# Altium PCB 主控板20160428.PcbDoc (part 2 of 3)
Units mm, origin at the board's own origin, x right, y up, seen from the top; angles counter-clockwise.
Board outline 105 x 80 mm, 2 copper layers (Top Layer, Bottom Layer); 88 components, 152 nets, 500 pads, 192 vias.
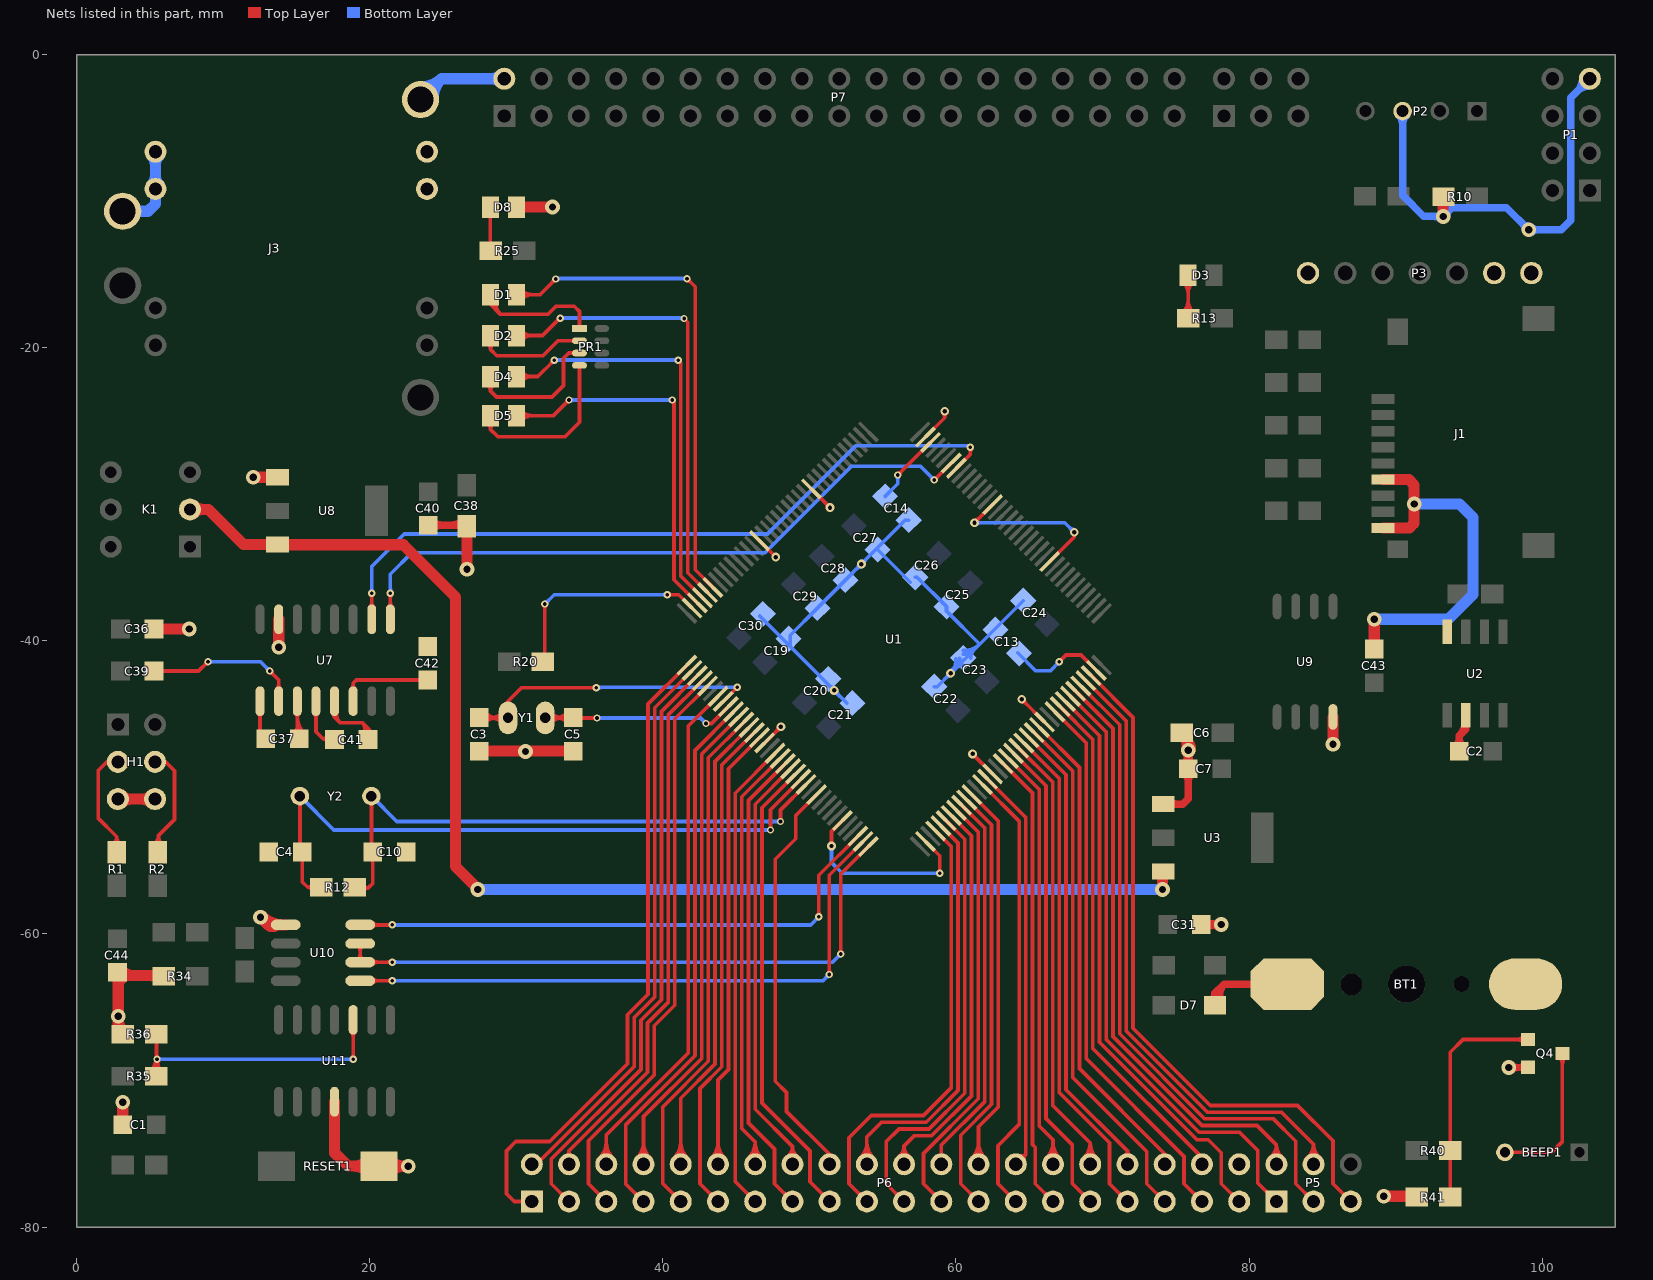
[diagram p2: the nets of this part, all layers, seen from the top]

## Via types
v1: diameter 0.5, hole 0.25, Top Layer to Bottom Layer, 117 vias
v2: diameter 1, hole 0.5, Top Layer to Bottom Layer, 40 vias
v3: diameter 0.6, hole 0.3, Top Layer to Bottom Layer, 31 vias
v4: diameter 1.524, hole 1, Top Layer to Bottom Layer, 4 vias

## Nets (pads, with @x,y where several pads share a name; then routed paths per layer and width w, separated by ;. In a path a pad name is that pad's centre, name@x,y a point inside that pad or via, vN(x,y) a via of type N, cw(c..) or ccw(c..) an arc to the next point about the centre after c; other vN are vias at no path point) (continued)
GND: BT1.2 C1.2 C2.2 C3.1 C4.1 C5.1 C6.2 C7.1 C10.1 C13.2 C14.2 C19.1 C20.1 C21.1 C22.1 C23.1 C24.1 C25.1 C26.1 C27.1 C28.1 C29.1 C30.1 C31.1 C36.1 C38.2 C40.1 C42.2 C43.2 C44.2 D8.K H1.5 H1.6 J1.6 J1.9 J3.1 J3.5 P1.4 P2.3 P3.1 P3.6 P3.7 P6.40 P7.2 Q4.1 R10.1 R34.1 R36.1 R41.1 RESET1.2 U1.16 U1.31 U1.38 U1.51 U1.61 U1.83 U1.94 U1.107 U1.120 U1.130 U2.2 U2.8 U3.1 U7.15 U8.1 U9.4 U10.5 U11.11 | length 270.2
  Top Layer w0.254: U1.130@46.599,-33.177 v3(47.712,-34.29) v3@47.727,-34.29 ; U1.16@46.953,-46.965 v3(48.057,-45.861) ; v3@47.884,-45.861 cw(c47.466,-45.861) 47.761,-46.156 cw(c48.057,-46.452) v3@48.057,-46.034 ; U1.120@50.134,-29.641 v3(51.405,-30.912) v3@51.41,-30.912 ; v3@51.232,-30.912 ccw(c50.814,-30.912) 51.11,-30.616 ccw(c51.405,-30.321) v3@51.405,-30.739 ; v3@51.389,-53.878 ccw(c51.094,-53.583) 51.511,-53.583 ccw(c51.929,-53.583) v3@51.634,-53.878 ; v3@51.511,-54.026 v3(51.511,-54) 51.511,-53.013 U1.31@52.256,-52.269 ; U1.38@57.913,-53.683 58.903,-54.673 v1(58.903,-55.855) ; U1.107@57.913,-26.106 59.233,-24.785 v3(59.233,-24.333) ; v3@59.11,-24.456 cw(c58.815,-24.751) 59.233,-24.751 cw(c59.65,-24.751) v3@59.355,-24.456 ; v3(61.138,-47.716) U1.51@62.509,-49.087 ; v3(61.265,-31.946) U1.94@62.509,-30.702 ; v3@61.265,-31.773 ccw(c61.265,-31.355) 61.56,-31.651 ccw(c61.855,-31.946) v3@61.438,-31.946 ; v3@64.486,-44.166 cw(c64.486,-44.583) 64.781,-44.288 cw(c65.077,-43.993) v3@64.659,-43.993 ; v3(64.486,-43.993) U1.61@66.044,-45.551 ; U1.83@66.398,-34.591 68.072,-32.917 v3(68.072,-32.588)
  Top Layer w0.508: C40.1@24.003,-32.106 26.619,-32.106 C38.2@26.645,-32.131 ; C40.1@24.272,-32.375 cw(c24.923,-33.025) 24.923,-32.106 cw(c24.923,-31.186) C40.1@24.272,-31.836 ; 25.577,-32.106 ccw(c25.577,-31.012) C38.2@26.35,-31.785 ; 25.822,-32.106 cw(c25.822,-32.852) C38.2@26.35,-32.324 ; U3.1@74.146,-51.142 75.477,-51.142 75.844,-50.775 C7.1@75.844,-48.743 v2(75.844,-47.473) 75.844,-46.787 75.336,-46.279 cw(c74.552,-47.064) v2@75.61,-47.398 ; U3.1@74.58,-51.351 cw(c75.085,-51.856) 75.085,-51.142 cw(c75.085,-50.427) U3.1@74.58,-50.932 ; C6.2@75.339,-46.603 cw(c74.776,-47.511) v2@75.844,-47.511 ; C7.1@75.575,-49.012 cw(c74.925,-49.662) 75.844,-49.662 cw(c76.764,-49.662) C7.1@76.114,-49.012 ; C7.1@75.575,-48.473 ccw(c74.925,-47.823) 75.844,-47.823 ccw(c76.764,-47.823) C7.1@76.114,-48.473 ; v2@75.638,-47.339 ccw(c75.239,-47.083) 75.697,-46.96 ccw(c76.12,-46.847) v2@75.943,-47.247 ; v2@75.654,-47.628 cw(c75.217,-47.985) C7.1@75.762,-48.131 ; v2@75.67,-47.647 cw(c75.251,-48.066) 75.844,-48.066 cw(c76.438,-48.066) v2@76.018,-47.647 ; v2@75.67,-47.299 ccw(c75.251,-46.879) 75.844,-46.879 ccw(c76.438,-46.879) v2@76.018,-47.299 ; C7.1@75.927,-48.131 cw(c76.472,-47.985) v2@76.035,-47.628 ; C6.2@75.928,-46.87 cw(c75.45,-47.348) v2@76.094,-47.552 ; C31.1@76.733,-59.36 v2(78.105,-59.36) ; C31.1@77.003,-59.629 cw(c77.653,-60.28) 77.653,-59.36 cw(c77.653,-58.44) C31.1@77.003,-59.09 ; 77.389,-59.431 cw(c77.552,-60.039) v2@77.95,-59.551 ; 77.389,-59.289 ccw(c77.552,-58.681) v2@77.95,-59.169 ; v2@77.931,-59.534 ccw(c77.511,-59.954) 77.511,-59.36 ccw(c77.511,-58.766) v2@77.931,-59.186 ; C2.2@94.066,-47.254 ccw(c93.416,-46.604) 94.336,-46.604 ccw(c95.255,-46.604) C2.2@94.605,-47.254 ; C2.2@94.336,-47.523 94.336,-46.482 94.793,-46.025 U2.2@94.793,-45.085 ; 94.379,-46.439 ccw(c93.534,-45.593) U2.2@94.729,-45.593 ; v2(97.714,-69.113) 99.013,-69.113 Q4.1@99.028,-69.098 ; v2@97.888,-69.287 cw(c98.308,-69.707) 98.308,-69.113 cw(c98.308,-68.52) v2@97.888,-68.939 ; 98.493,-69.113 ccw(c98.493,-68.588) Q4.1@98.864,-68.96
  Top Layer w0.762: C44.2@2.614,-62.791 cw(c2.058,-63.347) 2.845,-63.347 ; C44.2@2.623,-62.799 cw(c2.171,-63.299) 2.845,-63.299 ; H1.5@2.819,-50.8 H1.6@5.359,-50.8 ; v2@2.845,-65.81 ccw(c4.065,-65.81) R36.1@3.202,-66.673 ; C44.2@2.974,-62.431 ccw(c3.959,-61.446) 3.959,-62.84 ; H1.5@3.08,-51.061 cw(c3.71,-51.691) 3.71,-50.8 cw(c3.71,-49.909) H1.5@3.08,-50.539 ; R36.1@3.124,-66.802 2.845,-66.523 v2(2.845,-65.608) 2.845,-63.297 3.124,-63.017 2.946,-62.84 R34.1@5.918,-62.84 ; C1.2@3.15,-73.025 v2(3.15,-71.476) ; 5.081,-62.84 cw(c5.081,-63.626) R34.1@5.637,-63.07 ; H1.6@5.098,-51.061 ccw(c4.469,-51.691) 4.469,-50.8 ccw(c4.469,-49.909) H1.6@5.098,-50.539 ; C36.1@5.283,-39.192 v2(7.696,-39.192) ; v2(12.054,-28.84) U8.1@13.719,-28.84 ; v2(12.548,-58.852) 13.081,-59.385 ; v2@12.632,-58.768 ccw(c14.123,-57.277) U10.5@14.123,-59.385 ; v2@12.747,-59.051 ccw(c13.614,-58.184) U10.5@13.614,-59.411 ; U10.5@13.631,-59.404 cw(c13.366,-59.1) 13.081,-59.385 ; v2(13.792,-40.437) U7.15@13.792,-38.532 ; U10.5@14.275,-59.385 13.081,-59.385 ; U11.11@17.602,-71.45 17.602,-74.93 18.517,-75.844 RESET1.2@20.64,-75.844 v2(22.631,-75.844) ; RESET1.2@19.952,-76.282 ccw(c18.895,-77.339) 18.895,-75.844 ccw(c18.895,-74.35) RESET1.2@19.952,-75.407 ; RESET1.2@21.327,-76.282 cw(c22.384,-77.339) 22.384,-75.844 cw(c22.384,-74.35) RESET1.2@21.327,-75.407 ; C38.2@26.44,-32.488 cw(c25.945,-32.983) 26.645,-32.983 ; v2@26.645,-35.052 C38.2@26.645,-32.156 ; C3.1@27.483,-47.523 C5.1@33.884,-47.523 ; D8.K@30.016,-10.407 v2(32.48,-10.407) ; v2(85.725,-47.066) U9.4@85.725,-45.195 ; C43.2@88.544,-40.564 v2(88.544,-38.532) ; J1.9@89.138,-32.303 90.938,-32.303 91.262,-31.979 v2(91.262,-30.67) 91.262,-29.362 90.902,-29.003 J1.6@89.138,-29.003 ; v2(89.179,-77.902) 91.415,-77.902 R41.1@91.389,-77.927 ; 90.577,-77.902 cw(c90.577,-78.688) R41.1@91.133,-78.132 ; v2(93.243,-11.049) R10.1@93.243,-9.652 ; 93.243,-10.377 cw(c93.943,-10.377) R10.1@93.448,-9.882
  Bottom Layer w0.254: C30.1@46.609,-38.303 51.101,-42.795 v3(51.689,-43.383) C21.1@52.553,-44.247 ; C19.1@48.692,-40.361 48.692,-39.624 C29.1@50.546,-37.77 C28.1@52.46,-35.856 v3(53.548,-34.768) 56.55,-31.766 C14.2@56.785,-31.766 ; v3@51.389,-54.123 cw(c51.094,-54.418) 51.511,-54.418 cw(c51.929,-54.418) v3@51.634,-54.123 ; v3(51.511,-54) 51.511,-55.118 52.248,-55.855 v1(58.903,-55.855) ; v3@51.516,-43.383 ccw(c51.098,-43.383) 51.394,-43.088 ccw(c51.689,-42.793) v3@51.689,-43.21 ; v3@51.689,-43.556 cw(c51.689,-43.974) 51.984,-43.679 cw(c52.28,-43.383) v3@51.862,-43.383 ; v3@53.375,-34.768 cw(c52.957,-34.768) 53.252,-35.063 cw(c53.548,-35.359) v3@53.548,-34.941 ; v3@53.548,-34.595 ccw(c53.548,-34.177) 53.843,-34.473 ccw(c54.138,-34.768) v3@53.721,-34.768 ; C27.1@54.661,-33.782 C26.1@56.883,-36.005 ; C26.1@57.226,-35.662 57.353,-35.662 C25.1@59.36,-37.668 59.36,-37.973 61.62,-40.234 ; C22.1@58.522,-43.129 58.725,-43.129 v3(59.639,-42.215) ; v1@58.816,-55.942 ccw(c58.606,-56.152) 58.606,-55.855 ccw(c58.606,-55.558) v1@58.816,-55.768 ; v3@59.466,-42.215 cw(c59.049,-42.215) 59.344,-42.51 cw(c59.639,-42.805) v3@59.639,-42.388 ; v3@59.594,-42.048 ccw(c59.486,-41.644) 59.848,-41.853 ccw(c60.21,-42.062) v3@59.806,-42.17 ; v3@59.639,-42.042 ccw(c59.639,-41.624) 59.935,-41.919 ccw(c60.23,-42.215) v3@59.812,-42.215 ; 59.939,-41.915 cw(c60.503,-42.479) C23.1@60.503,-41.681 ; C23.1@59.997,-41.221 cw(c58.762,-41.338) v3(59.639,-42.215) ; 60.021,-41.833 ccw(c59.46,-41.272) C23.1@60.25,-41.197 ; C23.1@60.512,-40.92 ccw(c60.546,-39.984) 61.208,-40.646 ; C23.1@60.521,-40.666 ccw(c60.575,-39.188) 61.62,-40.234 ; C23.1@61.011,-41.173 cw(c61.808,-41.173) 61.244,-40.61 ; v3(61.265,-31.946) 67.43,-31.946 v3(68.072,-32.588) ; v3@61.387,-32.068 cw(c61.682,-32.363) 61.682,-31.946 cw(c61.682,-31.528) v3@61.387,-31.824 ; C24.1@64.592,-37.262 61.62,-40.234 ; v3@67.899,-32.588 ccw(c67.481,-32.588) 67.777,-32.293 ccw(c68.072,-31.998) v3@68.072,-32.415 ; v3(59.639,-42.215) 61.62,-40.234
  Bottom Layer w0.508: P2.3@90.205,-4.13 cw(c89.555,-4.781) 90.475,-4.781 cw(c91.395,-4.781) P2.3@90.744,-4.13 ; P2.3@90.475,-3.861 90.475,-9.601 91.923,-11.049 v2(93.243,-11.049) 93.853,-10.439 97.561,-10.439 v2(99.085,-11.963) 101.295,-11.963 101.956,-11.303 101.956,-2.946 P1.4@103.251,-1.651 ; v2@93.069,-11.223 ccw(c92.65,-11.643) 92.65,-11.049 ccw(c92.65,-10.455) v2@93.069,-10.875 ; v2@93.243,-10.803 ccw(c93.243,-10.209) 93.663,-10.629 ccw(c94.083,-11.049) v2@93.489,-11.049 ; v2@98.839,-11.963 ccw(c98.246,-11.963) 98.665,-11.543 ccw(c99.085,-11.124) v2@99.085,-11.717 ; v2@99.259,-12.137 cw(c99.679,-12.557) 99.679,-11.963 cw(c99.679,-11.37) v2@99.259,-11.789 ; P1.4@102.755,-1.651 cw(c101.558,-1.651) 102.404,-2.498 cw(c103.251,-3.344) P1.4@103.251,-2.147
  Bottom Layer w0.762: J3.1@3.15,-10.693 4.877,-10.693 5.385,-10.185 J3.1@5.385,-9.169 J3.1@5.385,-6.629 ; J3.1@5.124,-8.908 ccw(c4.494,-8.279) 5.385,-8.279 ccw(c6.276,-8.279) J3.1@5.646,-8.908 ; J3.1@5.124,-6.89 cw(c4.494,-7.52) 5.385,-7.52 cw(c6.276,-7.52) J3.1@5.646,-6.89 ; J3.5@23.47,-3.073 24.892,-1.651 ; J3.5@23.511,-2.185 ccw(c23.597,-0.356) 24.892,-1.651 ; J3.5@24.358,-3.032 cw(c26.187,-2.946) 24.892,-1.651 ; P7.2@28.924,-1.912 ccw(c28.294,-2.542) 28.294,-1.651 ccw(c28.294,-0.76) P7.2@28.924,-1.39 ; P7.2@29.185,-1.651 24.892,-1.651 ; v2(88.544,-38.532) 93.574,-38.532 95.275,-36.83 95.275,-31.598 94.348,-30.67 v2(91.262,-30.67)
  other v2: 30.632,-47.549 26.645,-35.128
INPUT_1: P6.1 U1.1 | length 44.5
  Top Layer w0.254: P6.1@31.064,-78.257 29.87,-78.257 29.337,-77.724 29.337,-74.803 29.972,-74.168 32.288,-74.168 37.592,-68.864 37.592,-65.511 38.993,-64.11 38.993,-44.318 U1.1@41.649,-41.662
INPUT_2: P6.2 U1.2 | length 38.4
  Top Layer w0.254: P6.2@31.064,-75.717 31.385,-75.717 38.049,-69.053 38.049,-65.7 39.45,-64.299 39.45,-44.568 U1.2@42.003,-42.016
INPUT_3: P6.3 U1.3 | length 40.5
  Top Layer w0.254: P6.3@33.604,-78.257 32.385,-77.038 32.385,-75.364 38.506,-69.243 38.506,-65.89 39.907,-64.489 39.907,-44.818 U1.3@42.356,-42.369
INPUT_4: P6.4 U1.4 | length 36.8
  Top Layer w0.254: P6.4@33.604,-75.717 33.604,-74.791 38.964,-69.432 38.964,-66.079 40.365,-64.678 40.365,-45.068 U1.4@42.71,-42.723
INPUT_5: P6.5 U1.5 | length 39.1
  Top Layer w0.254: P6.5@36.144,-78.257 34.925,-77.038 34.925,-74.117 39.421,-69.621 39.421,-66.269 40.822,-64.868 40.822,-45.318 U1.5@43.063,-43.076
INPUT_6: P6.6 U1.7 | length 38.9
  Top Layer w0.254: P6.6@35.704,-75.277 ccw(c34.64,-74.213) 36.144,-74.213 ccw(c37.648,-74.213) P6.6@36.585,-75.277 ; P6.6@35.883,-75.456 ccw(c35.253,-74.827) 36.144,-74.827 ccw(c37.035,-74.827) P6.6@36.405,-75.456 ; P6.6@36.144,-75.717 36.144,-73.711 41.736,-68.119 41.736,-45.818 U1.7@43.771,-43.783
INPUT_7: P6.7 U1.10 | length 37
  Top Layer w0.254: P6.7@38.684,-78.257 37.465,-77.038 37.465,-73.037 42.193,-68.308 42.193,-47.482 U1.10@44.831,-44.844
INPUT_8: P6.8 U1.11 | length 37
  Top Layer w0.254: P6.8@38.244,-75.277 ccw(c37.18,-74.213) 38.684,-74.213 ccw(c40.188,-74.213) P6.8@39.125,-75.277 ; P6.8@38.423,-75.456 ccw(c37.793,-74.827) 38.684,-74.827 ccw(c39.575,-74.827) P6.8@38.945,-75.456 ; P6.8@38.684,-75.717 38.684,-72.464 42.651,-68.498 42.651,-47.732 U1.11@45.185,-45.197
INPUT_9: P6.9 U1.12 | length 35.5
  Top Layer w0.254: P6.9@41.224,-78.257 40.005,-77.038 40.005,-71.79 43.108,-68.687 43.108,-47.982 U1.12@45.538,-45.551
INPUT_10: P6.10 U1.13 | length 35.5
  Top Layer w0.254: P6.10@40.784,-75.277 ccw(c39.72,-74.213) 41.224,-74.213 ccw(c42.728,-74.213) P6.10@41.665,-75.277 ; P6.10@40.963,-75.456 ccw(c40.333,-74.827) 41.224,-74.827 ccw(c42.115,-74.827) P6.10@41.485,-75.456 ; P6.10@41.224,-75.717 41.224,-71.217 43.565,-68.876 43.565,-48.231 U1.13@45.892,-45.905
INPUT_11: P6.11 U1.14 | length 34
  Top Layer w0.254: P6.11@43.764,-78.257 42.545,-77.038 42.545,-70.543 44.022,-69.066 44.022,-48.481 U1.14@46.245,-46.258
INPUT_12: P6.12 U1.15 | length 34
  Top Layer w0.254: P6.12@43.324,-75.277 ccw(c42.26,-74.213) 43.764,-74.213 ccw(c45.268,-74.213) P6.12@44.205,-75.277 ; P6.12@43.503,-75.456 ccw(c42.873,-74.827) 43.764,-74.827 ccw(c44.655,-74.827) P6.12@44.025,-75.456 ; P6.12@43.764,-75.717 43.764,-69.97 44.479,-69.255 44.479,-48.731 U1.15@46.599,-46.612
INPUT_13: P6.13 U1.18 | length 32.3
  Top Layer w0.254: P6.13@46.304,-78.257 44.937,-76.89 44.937,-50.395 U1.18@47.66,-47.672
INPUT_14: P6.14 U1.19 | length 32.9
  Top Layer w0.254: P6.14@45.864,-75.277 ccw(c44.8,-74.213) 46.304,-74.213 ccw(c47.808,-74.213) P6.14@46.745,-75.277 ; P6.14@46.043,-75.456 ccw(c45.413,-74.827) 46.304,-74.827 ccw(c47.195,-74.827) P6.14@46.565,-75.456 ; P6.14@46.304,-75.717 46.304,-74.189 45.394,-73.279 45.394,-50.645 U1.19@48.013,-48.026
INPUT_15: P6.15 U1.20 | length 32.2
  Top Layer w0.254: U1.20@48.367,-48.379 45.851,-50.895 45.851,-72.902 47.625,-74.676 47.625,-77.038 P6.15@48.844,-78.257
INPUT_16: P6.16 U1.21 | length 30.7
  Top Layer w0.254: P6.16@48.479,-75.213 ccw(c47.963,-74.498) 48.844,-74.498 ; U1.21@48.72,-48.733 46.308,-51.145 46.308,-71.962 48.844,-74.498 ; P6.16@48.844,-75.717 48.844,-74.498 ; P6.16@49.209,-75.213 cw(c49.726,-74.498) 48.844,-74.498
INPUT_17: P6.17 U1.22 | length 32
  Top Layer w0.254: U1.22@49.074,-49.087 46.765,-51.395 46.765,-71.53 50.038,-74.803 50.038,-76.911 P6.17@51.384,-78.257
INPUT_18: P6.18 U1.26 | length 27.9
  Top Layer w0.254: U1.26@50.488,-50.501 49.077,-51.912 49.077,-53.514 47.68,-54.911 47.68,-70.057 48.438,-70.815 48.438,-72.111 51.384,-75.057 P6.18@51.384,-75.717
INPUT_19: P6.19 U1.40 | length 31.2
  Top Layer w0.254: P6.19@53.924,-78.257 52.705,-77.038 52.705,-73.914 54.229,-72.39 57.785,-72.39 59.69,-70.485 59.69,-54.046 U1.40@58.62,-52.976
INPUT_20: P6.20 U1.41 | length 31.7
  Top Layer w0.254: P6.20@53.484,-75.277 ccw(c52.42,-74.213) 53.924,-74.213 ccw(c55.428,-74.213) P6.20@54.365,-75.277 ; P6.20@53.663,-75.456 ccw(c53.033,-74.827) 53.924,-74.827 ccw(c54.815,-74.827) P6.20@54.185,-75.456 ; P6.20@53.924,-75.717 53.924,-73.838 54.915,-72.847 57.974,-72.847 60.147,-70.674 60.147,-53.796 U1.41@58.973,-52.622
INPUT_21: P6.21 U1.42 | length 30.4
  Top Layer w0.254: P6.21@56.464,-78.257 55.245,-77.038 55.245,-74.168 56.109,-73.304 58.164,-73.304 60.604,-70.864 60.604,-53.546 U1.42@59.327,-52.269
INPUT_22: P6.22 U1.43 | length 28.7
  Top Layer w0.254: P6.22@56.091,-75.219 ccw(c55.533,-74.473) 56.464,-74.473 ; P6.22@56.464,-75.717 56.464,-74.473 ; P6.22@56.838,-75.219 cw(c57.396,-74.473) 56.464,-74.473 ; U1.43@59.68,-51.915 61.062,-53.296 61.062,-71.053 58.353,-73.762 57.175,-73.762 56.464,-74.473
INPUT_23: P6.23 U1.44 | length 29.4
  Top Layer w0.254: P6.23@59.004,-78.257 57.785,-77.038 57.785,-74.976 61.519,-71.243 61.519,-53.046 U1.44@60.034,-51.561
INPUT_24: P6.24 U1.45 | length 26.4
  Top Layer w0.254: P6.24@59.004,-75.717 59.004,-74.404 61.976,-71.432 61.976,-52.796 U1.45@60.388,-51.208
INPUT_25: P6.25 U1.46 | length 29.5
  Top Layer w0.254: U1.46@60.741,-50.854 62.433,-52.546 62.433,-71.621 60.325,-73.729 60.325,-77.038 P6.25@61.544,-78.257
INPUT_26: P6.26 U1.47 | length 30.3
  Top Layer w0.254: U1.47@61.095,-50.501 62.89,-52.297 62.89,-71.811 61.544,-73.157 P6.26@61.544,-75.717 ; P6.26@61.104,-75.277 ccw(c60.04,-74.213) 61.544,-74.213 ccw(c63.048,-74.213) P6.26@61.985,-75.277 ; P6.26@61.283,-75.456 ccw(c60.653,-74.827) 61.544,-74.827 ccw(c62.435,-74.827) P6.26@61.805,-75.456
INPUT_27: P6.27 U1.49 | length 30.6
  Top Layer w0.254: U1.49@61.802,-49.794 64.313,-52.305 64.313,-73 62.865,-74.447 62.865,-77.038 P6.27@64.084,-78.257
INPUT_28: P6.28 U1.50 | length 28.7
  Top Layer w0.254: U1.50@62.155,-49.44 64.77,-52.055 64.77,-75.032 ; P6.28@64.084,-75.717 64.77,-75.032 ; P6.28@64.302,-75.134 ccw(c64.456,-74.718) 64.77,-75.032 ; P6.28@64.668,-75.5 cw(c65.083,-75.345) 64.77,-75.032
INPUT_29: P6.29 U1.53 | length 31.3
  Top Layer w0.254: U1.53@63.216,-48.379 65.227,-50.391 65.227,-74.371 65.405,-74.549 65.405,-77.038 P6.29@66.624,-78.257
INPUT_30: P6.30 U1.54 | length 32.7
  Top Layer w0.254: U1.54@63.569,-48.026 65.684,-50.141 65.684,-73.101 66.624,-74.041 P6.30@66.624,-75.717 ; P6.30@66.184,-75.277 ccw(c65.12,-74.213) 66.624,-74.213 ccw(c68.128,-74.213) P6.30@67.065,-75.277 ; P6.30@66.363,-75.456 ccw(c65.733,-74.827) 66.624,-74.827 ccw(c67.515,-74.827) P6.30@66.885,-75.456
INPUT_31: P6.31 U1.55 | length 32.8
  Top Layer w0.254: U1.55@63.923,-47.672 66.142,-49.891 66.142,-72.593 67.945,-74.397 67.945,-77.038 P6.31@69.164,-78.257
INPUT_32: P6.32 U1.56 | length 34
  Top Layer w0.254: U1.56@64.277,-47.319 66.599,-49.641 66.599,-71.704 69.164,-74.27 ; P6.32@68.736,-75.265 ccw(c67.794,-74.27) 69.164,-74.27 ; P6.32@68.911,-75.449 ccw(c68.352,-74.86) 69.164,-74.86 ccw(c69.976,-74.86) P6.32@69.418,-75.449 ; P6.32@69.164,-75.717 69.164,-74.27 ; P6.32@69.593,-75.265 cw(c70.535,-74.27) 69.164,-74.27
INPUT_33: P6.33 U1.57 | length 34.2
  Top Layer w0.254: U1.57@64.63,-46.965 67.056,-49.391 67.056,-70.815 70.485,-74.244 70.485,-77.038 P6.33@71.704,-78.257
INPUT_34: P6.34 U1.58 | length 32.7
  Top Layer w0.254: U1.58@64.984,-46.612 67.513,-49.141 67.513,-70.626 71.704,-74.817 ; P6.34@71.485,-75.134 ccw(c71.365,-74.817) 71.704,-74.817 ; P6.34@71.704,-75.717 71.704,-74.817 ; P6.34@71.924,-75.134 cw(c72.044,-74.817) 71.704,-74.817
INPUT_35: P6.35 U1.59 | length 35.7
  Top Layer w0.254: U1.59@65.337,-46.258 67.97,-48.891 67.97,-69.799 73.025,-74.854 73.025,-77.038 P6.35@74.244,-78.257
INPUT_36: P6.36 U1.60 | length 33.4
  Top Layer w0.254: U1.60@65.691,-45.905 68.428,-48.641 68.428,-69.19 74.244,-75.006 P6.36@74.244,-75.717
INPUT_37: P6.37 U1.63 | length 37.6
  Top Layer w0.254: U1.63@66.751,-44.844 68.885,-46.977 68.885,-68.504 75.565,-75.184 75.565,-77.038 P6.37@76.784,-78.257
INPUT_38: P6.38 U1.64 | length 35.2
  Top Layer w0.254: U1.64@67.105,-44.49 69.342,-46.727 69.342,-67.818 76.784,-75.26 P6.38@76.784,-75.717
INPUT_39: P6.39 U1.65 | length 39.5
  Top Layer w0.254: U1.65@67.459,-44.137 69.799,-46.477 69.799,-67.386 76.454,-74.041 77.216,-74.041 78.105,-74.93 78.105,-77.038 P6.39@79.324,-78.257
INPUT_40: P5.1 U1.66 | length 41.9
  Top Layer w0.254: U1.66@67.812,-43.783 70.256,-46.228 70.256,-67.197 76.593,-73.533 79.35,-73.533 80.594,-74.778 80.594,-76.987 P5.1@81.864,-78.257
INPUT_41: P5.2 U1.67 | length 43.2
  Top Layer w0.254: U1.67@68.166,-43.43 70.714,-45.978 70.714,-67.007 76.782,-73.076 80.543,-73.076 81.864,-74.397 ; P5.2@81.468,-75.237 ccw(c80.776,-74.397) 81.864,-74.397 ; P5.2@81.63,-75.433 ccw(c81.22,-74.935) 81.864,-74.935 ccw(c82.509,-74.935) P5.2@82.099,-75.433 ; P5.2@81.864,-75.717 81.864,-74.397 ; P5.2@82.26,-75.237 cw(c82.953,-74.397) 81.864,-74.397
INPUT_42: P5.3 U1.68 | length 44.5
  Top Layer w0.254: U1.68@68.519,-43.076 71.171,-45.728 71.171,-66.818 76.971,-72.619 81.661,-72.619 83.185,-74.143 83.185,-77.038 P5.3@84.404,-78.257
INPUT_43: P5.4 U1.69 | length 45.6
  Top Layer w0.254: U1.69@68.873,-42.723 71.628,-45.478 71.628,-66.629 77.161,-72.161 82.22,-72.161 84.404,-74.346 ; P5.4@83.994,-75.248 ccw(c83.206,-74.346) 84.404,-74.346 ; P5.4@84.161,-75.44 ccw(c83.694,-74.905) 84.404,-74.905 ccw(c85.114,-74.905) P5.4@84.647,-75.44 ; P5.4@84.404,-75.717 84.404,-74.346 ; P5.4@84.814,-75.248 cw(c85.602,-74.346) 84.404,-74.346
INPUT_44: P5.5 U1.70 | length 46.7
  Top Layer w0.254: U1.70@69.226,-42.369 72.085,-45.228 72.085,-66.439 77.35,-71.704 83.312,-71.704 85.725,-74.117 85.725,-77.038 P5.5@86.944,-78.257
LED1: D1.K U1.139 | length 36.8
  Top Layer w0.254: D1.K@30.344,-16.703 cw(c31.117,-17.477) 31.117,-16.383 cw(c31.117,-15.289) D1.K@30.344,-16.063 ; D1.K@30.531,-16.383 31.623,-16.383 v1(32.69,-15.316) ; v1@32.567,-15.316 cw(c32.27,-15.316) 32.48,-15.526 cw(c32.69,-15.736) v1@32.69,-15.439 ; v1@41.656,-15.414 cw(c41.656,-15.711) 41.866,-15.501 cw(c42.076,-15.291) v1@41.779,-15.291 ; v1(41.656,-15.291) 42.215,-15.85 42.215,-35.156 U1.139@43.417,-36.359
  Bottom Layer w0.254: v1(32.69,-15.316) 32.728,-15.278 v1@41.656,-15.278 ; v1@32.777,-15.403 cw(c33.079,-15.705) 33.079,-15.278 ; 41.328,-15.278 cw(c41.328,-15.618) v1@41.569,-15.378 ; 41.39,-15.278 ccw(c41.39,-15.025) v1@41.569,-15.204
LED2: D2.K U1.140 | length 33.7
  Top Layer w0.254: D2.K@30.344,-19.497 cw(c31.117,-20.271) 31.117,-19.177 cw(c31.117,-18.083) D2.K@30.344,-18.857 ; D2.K@30.531,-19.177 31.801,-19.177 v1(32.995,-17.983) ; v1@32.872,-17.983 cw(c32.575,-17.983) 32.785,-18.193 cw(c32.995,-18.403) v1@32.995,-18.106 ; v1(41.453,-18.009) 41.707,-18.263 41.707,-35.356 U1.140@43.063,-36.712
  Bottom Layer w0.254: v1(32.995,-17.983) v1@41.453,-17.983 ; v1@33.082,-18.07 cw(c33.292,-18.28) 33.292,-17.983 cw(c33.292,-17.686) v1@33.082,-17.896 ; 41.095,-17.983 cw(c41.095,-18.367) v1@41.366,-18.096
LED3: D4.K U1.141 | length 31
  Top Layer w0.254: D4.K@30.344,-22.291 cw(c31.117,-23.065) 31.117,-21.971 cw(c31.117,-20.877) D4.K@30.344,-21.651 ; D4.K@30.531,-21.971 31.471,-21.971 v1(32.588,-20.853) ; v1@32.465,-20.853 cw(c32.168,-20.853) 32.378,-21.063 cw(c32.588,-21.273) v1@32.588,-20.976 ; v1(41.046,-20.853) 41.224,-21.031 41.224,-35.58 U1.141@42.71,-37.066
  Bottom Layer w0.254: v1(32.588,-20.853) 32.601,-20.841 v1@41.046,-20.841 ; v1@32.675,-20.94 cw(c32.916,-21.181) 32.916,-20.841 ; v1@32.675,-20.766 ccw(c32.854,-20.587) 32.854,-20.841 ; 40.719,-20.841 cw(c40.719,-21.181) v1@40.959,-20.94 ; 40.78,-20.841 ccw(c40.78,-20.587) v1@40.959,-20.766
LED4: D5.K U1.142 | length 28.2
  Top Layer w0.254: D5.K@30.344,-24.958 cw(c31.117,-25.732) 31.117,-24.638 cw(c31.117,-23.544) D5.K@30.344,-24.318 ; D5.K@30.531,-24.638 32.537,-24.638 v1(33.604,-23.571) ; v1@33.481,-23.571 cw(c33.184,-23.571) 33.394,-23.781 cw(c33.604,-23.991) v1@33.604,-23.694 ; v1(40.64,-23.571) 40.767,-23.698 40.767,-35.83 U1.142@42.356,-37.419
  Bottom Layer w0.254: v1(33.604,-23.571) v1(40.64,-23.571) ; v1@33.691,-23.658 cw(c33.901,-23.868) 33.901,-23.571 cw(c33.901,-23.274) v1@33.691,-23.484 ; v1@40.553,-23.658 ccw(c40.343,-23.868) 40.343,-23.571 ccw(c40.343,-23.274) v1@40.553,-23.484
NetBEEP1_2: BEEP1.2 Q4.3 | length 11.5
  Top Layer w0.254: BEEP1.2@97.46,-74.905 100.635,-74.905 101.378,-74.161 Q4.3@101.378,-68.148 ; Q4.3@101.15,-68.377 cw(c100.598,-68.928) 101.378,-68.928 cw(c102.158,-68.928) Q4.3@101.606,-68.377
NetBT1_1: BT1.1 D7.1 | length 9.7
  Top Layer w0.508: D7.1@77.429,-64.579 ccw(c76.997,-64.059) 77.673,-64.059 ; D7.1@77.673,-64.872 77.673,-64.059 ; D7.1@77.689,-64.934 cw(c78.445,-64.511) 77.833,-63.899 ; D7.1@77.917,-64.579 cw(c78.35,-64.059) 77.673,-64.059 ; D7.1@78.133,-64.686 cw(c79.055,-64.171) 78.308,-63.424 ; BT1.1@82.61,-63.424 78.308,-63.424 ; 77.673,-64.059 78.308,-63.424
NetC3_2: C3.2 U1.8 Y1.2 | length 26.6
  Top Layer w0.254: C3.2@27.483,-45.237 29.413,-45.237 Y1.2@29.439,-45.263 29.439,-44.12 ; C3.2@27.842,-45.597 cw(c28.709,-46.464) 28.709,-45.237 cw(c28.709,-44.011) C3.2@27.842,-44.878 ; 28.151,-45.237 cw(c28.151,-46.551) Y1.2@29.079,-45.622 ; 28.273,-45.237 ccw(c28.273,-44.098) Y1.2@29.079,-44.904 ; 28.764,-45.237 cw(c28.764,-45.937) Y1.2@29.259,-45.442 ; Y1.2@29.308,-44.289 ccw(c29.263,-44.12) 29.439,-44.12 ; Y1.2@29.569,-44.289 cw(c29.614,-44.12) 29.439,-44.12 ; v1@35.371,-43.292 ccw(c35.161,-43.502) 35.161,-43.205 ccw(c35.161,-42.908) v1@35.371,-43.118 ; v1(35.458,-43.205) 30.353,-43.205 29.439,-44.12 ; U1.8@44.124,-44.137 v1(45.085,-43.176)
  Bottom Layer w0.254: v1(35.458,-43.205) 35.488,-43.176 v1(45.085,-43.176) ; v1@35.545,-43.292 cw(c35.827,-43.574) 35.827,-43.176 ; v1@44.998,-43.263 ccw(c44.788,-43.473) 44.788,-43.176 ccw(c44.788,-42.879) v1@44.998,-43.089
NetC4_2: C4.2 R12.2 U1.23 Y2.2 | length 45.5
  Top Layer w0.254: Y2.2@15.24,-50.597 15.24,-54.254 C4.2@15.392,-54.407 15.392,-56.439 15.773,-56.82 ; R12.2@16.098,-57.029 ccw(c15.773,-57.176) 15.773,-56.82 ; R12.2@16.098,-56.61 cw(c15.773,-56.464) 15.773,-56.82 ; R12.2@16.688,-56.82 15.773,-56.82 ; v1@47.346,-52.883 47.346,-51.522 U1.23@49.427,-49.44
  Bottom Layer w0.254: Y2.2@15.24,-50.597 17.551,-52.908 v1(47.346,-52.908)
NetC5_2: C5.2 U1.9 Y1.1 | length 19.2
  Top Layer w0.254: Y1.1@31.826,-45.415 Y1.1@31.979,-45.263 v1(35.509,-45.263) ; Y1.1@32.338,-45.622 cw(c33.205,-46.489) 33.205,-45.263 cw(c33.205,-44.036) Y1.1@32.338,-44.904 ; Y1.1@32.596,-45.263 ccw(c32.596,-43.95) C5.2@33.524,-44.878 ; 32.718,-45.263 cw(c32.718,-46.403) C5.2@33.524,-45.597 ; 33.209,-45.263 ccw(c33.209,-44.563) C5.2@33.704,-45.058 ; v1@35.422,-45.35 ccw(c35.212,-45.56) 35.212,-45.263 ccw(c35.212,-44.966) v1@35.422,-45.176 ; v1(42.951,-45.644) 43.324,-45.644 U1.9@44.478,-44.49
  Bottom Layer w0.254: v1(35.509,-45.263) 42.57,-45.263 v1(42.951,-45.644) ; v1@35.596,-45.35 cw(c35.806,-45.56) 35.806,-45.263 cw(c35.806,-44.966) v1@35.596,-45.176 ; v1@42.828,-45.644 ccw(c42.531,-45.644) 42.741,-45.434 ccw(c42.951,-45.224) v1@42.951,-45.521
NetC10_2: C10.2 R12.1 U1.24 Y2.1 | length 40.5
  Top Layer w0.254: R12.1@18.999,-56.871 19.888,-56.871 ; R12.1@19.542,-57.072 cw(c19.888,-57.269) 19.888,-56.871 ; R12.1@19.58,-56.652 ccw(c19.888,-56.544) 19.888,-56.871 ; Y2.1@20.12,-50.597 20.12,-54.308 C10.2@20.218,-54.407 20.218,-56.54 19.888,-56.871 ; v1(48.031,-52.324) 48.031,-51.543 U1.24@49.781,-49.794
  Bottom Layer w0.254: Y2.1@20.12,-50.597 21.847,-52.324 v1(48.031,-52.324) ; v1@47.944,-52.411 ccw(c47.734,-52.621) 47.734,-52.324 ccw(c47.734,-52.027) v1@47.944,-52.237
NetC13_1: C13.1 U1.71 | length 7.7
  Top Layer w0.254: v1(67.056,-41.427) 67.513,-40.97 68.535,-40.97 U1.71@69.58,-42.016 ; v1@67.056,-41.304 ccw(c67.056,-41.007) 67.266,-41.217 ccw(c67.476,-41.427) v1@67.179,-41.427
  Bottom Layer w0.254: C13.1@64.211,-40.818 65.43,-42.037 66.446,-42.037 v1(67.056,-41.427) ; v1@66.933,-41.427 cw(c66.636,-41.427) 66.846,-41.637 cw(c67.056,-41.847) v1@67.056,-41.55
NetC14_1: C14.1 U1.106 | length 5.9
  Top Layer w0.254: v1(56.032,-28.693) U1.106@58.266,-26.459 ; v1@56.032,-28.57 ccw(c56.032,-28.273) 56.242,-28.483 ccw(c56.452,-28.693) v1@56.155,-28.693
  Bottom Layer w0.254: C14.1@55.169,-30.15 56.032,-29.286 v1(56.032,-28.693) ; v1@55.945,-28.78 cw(c55.735,-28.99) 56.032,-28.99 cw(c56.329,-28.99) v1@56.119,-28.78
NetC37_1: C37.1 U7.1 | length 3.9
  Top Layer w0.254: U7.1@12.396,-44.957 cw(c12.093,-45.26) 12.522,-45.26 cw(c12.951,-45.26) U7.1@12.648,-44.957 ; U7.1@12.522,-44.12 12.522,-46.761 C37.1@12.903,-47.142
NetC37_2: C37.2 U7.3 | length 6.6
  Top Layer w0.254: C37.2@14.83,-46.326 ccw(c14.269,-45.765) 15.062,-45.765 ccw(c16.109,-45.765) C37.2@15.369,-46.506 ; U7.3@14.936,-44.957 cw(c14.633,-45.26) 15.062,-45.26 cw(c15.491,-45.26) U7.3@15.188,-44.957 ; 15.062,-45.152 ccw(c16.722,-45.152) C37.2@15.548,-46.326 ; U7.3@15.062,-44.12 15.062,-47.041 C37.2@15.215,-47.193
NetC39_1: C39.1 U7.2 | length 13.3
  Top Layer w0.254: C39.1@5.283,-42.062 8.331,-42.062 v1(8.966,-41.427) ; v1@8.843,-41.427 cw(c8.546,-41.427) 8.756,-41.637 cw(c8.966,-41.847) v1@8.966,-41.55 ; v1@13.183,-42.185 cw(c13.183,-42.482) 13.393,-42.272 cw(c13.603,-42.062) v1@13.306,-42.062 ; v1(13.183,-42.062) 13.792,-42.672 U7.2@13.792,-44.12 ; U7.2@13.666,-43.283 ccw(c13.363,-42.979) 13.792,-42.979 ccw(c14.221,-42.979) U7.2@13.918,-43.283
  Bottom Layer w0.254: v1(8.966,-41.427) 12.548,-41.427 v1(13.183,-42.062) ; v1@9.053,-41.514 cw(c9.263,-41.724) 9.263,-41.427 cw(c9.263,-41.13) v1@9.053,-41.34 ; v1@13.06,-42.062 ccw(c12.763,-42.062) 12.973,-41.852 ccw(c13.183,-41.642) v1@13.183,-41.939
NetC41_1: C41.1 U7.4 | length 5.1
  Top Layer w0.254: U7.4@16.206,-44.957 cw(c15.903,-45.26) 16.332,-45.26 cw(c16.761,-45.26) U7.4@16.458,-44.957 ; U7.4@16.332,-44.12 16.332,-46.203 16.815,-46.685 ; C41.1@17.123,-46.904 ccw(c16.815,-47.011) 16.815,-46.685 ; C41.1@17.161,-46.484 cw(c16.815,-46.287) 16.815,-46.685 ; C41.1@17.602,-46.736 17.551,-46.685 16.815,-46.685
NetC41_2: C41.2 U7.5 | length 9.7
  Top Layer w0.254: U7.5@17.487,-44.966 cw(c17.273,-45.217) 17.602,-45.217 ; U7.5@17.528,-44.813 ccw(c18.003,-44.927) 17.658,-45.272 ; U7.5@17.602,-44.12 17.602,-45.217 ; U7.5@17.718,-44.966 ccw(c17.932,-45.217) 17.602,-45.217 ; U7.5@17.775,-44.872 ccw(c18.52,-45.051) 17.978,-45.593 ; C41.2@19.519,-46.387 ccw(c19.104,-45.996) 19.507,-45.593 ; C41.2@19.693,-46.267 ccw(c19.571,-45.974) 19.888,-45.974 ; 19.692,-45.778 cw(c19.294,-46.176) C41.2@19.703,-46.562 ; 19.877,-45.963 cw(c19.485,-46.355) C41.2@19.888,-46.736 19.888,-45.974 ; C41.2@20.084,-46.267 cw(c20.206,-45.974) 19.888,-45.974 ; 17.602,-45.217 17.978,-45.593 ; 17.978,-45.593 19.507,-45.593 ; 19.507,-45.593 19.888,-45.974
NetC42_1: C42.1 U7.6 | length 7.1
  Top Layer w0.254: U7.6@18.746,-43.283 ccw(c18.443,-42.979) 18.872,-42.979 ccw(c19.301,-42.979) U7.6@18.998,-43.283 ; U7.6@18.872,-44.12 18.872,-42.901 19.101,-42.672 C42.1@23.952,-42.672
NetD1_A: D1.A PR1.1 | length 11.7
  Top Layer w0.254: D1.A@28.191,-16.521 ccw(c28.774,-16.708) 28.341,-17.14 ; D1.A@28.244,-16.383 28.245,-17.043 28.931,-17.729 ; D1.A@28.433,-16.599 ccw(c29.22,-16.85) 28.636,-17.435 ; D1.A@28.675,-16.676 ccw(c29.666,-16.993) 28.931,-17.729 ; PR1.1@34.244,-18.623 ccw(c34.07,-18.449) 34.315,-18.449 ccw(c34.561,-18.449) PR1.1@34.387,-18.623 ; PR1.1@34.315,-18.694 34.315,-17.526 33.96,-17.17 32.715,-17.17 32.156,-17.729 28.931,-17.729
NetD2_A: D2.A PR1.2 | length 8.9
  Top Layer w0.254: D2.A@28.018,-19.725 cw(c27.793,-20.117) 28.245,-20.117 ; D2.A@28.244,-19.177 28.245,-20.117 ; D2.A@28.471,-19.724 ccw(c28.699,-20.117) 28.245,-20.117 ; PR1.2@33.964,-19.604 ccw(c33.791,-19.778) 33.791,-19.533 ccw(c33.791,-19.287) PR1.2@33.964,-19.461 ; PR1.2@34.315,-19.533 32.842,-19.533 31.826,-20.549 28.677,-20.549 28.245,-20.117
NetD3_A: D3.A R13.2 | length 6.6
  Top Layer w0.254: R13.2@75.485,-17.624 ccw(c74.618,-16.757) 75.844,-16.757 ccw(c77.071,-16.757) R13.2@76.204,-17.624 ; D3.A@75.523,-15.538 cw(c74.747,-16.313) 75.844,-16.313 ; R13.2@75.844,-17.983 D3.A@75.843,-15.062 ; 75.844,-16.308 cw(c76.935,-16.308) D3.A@76.164,-15.538
NetD4_A: D4.A PR1.3 | length 11
  Top Layer w0.254: D4.A@27.997,-22.506 cw(c27.702,-22.962) 28.245,-22.962 ; D4.A@28.244,-21.971 28.245,-22.962 ; D4.A@28.492,-22.505 ccw(c28.79,-22.962) 28.245,-22.962 ; PR1.3@33.964,-20.443 ccw(c33.791,-20.616) 33.791,-20.371 ccw(c33.791,-20.126) PR1.3@33.964,-20.299 ; PR1.3@34.315,-20.371 33.579,-20.371 33.223,-20.726 33.223,-22.581 32.436,-23.368 28.651,-23.368 28.245,-22.962
NetD5_A: D5.A PR1.4 | length 12.9
  Top Layer w0.254: D5.A@28.018,-25.186 cw(c27.793,-25.578) 28.245,-25.578 ; D5.A@28.244,-24.638 28.245,-25.578 ; D5.A@28.471,-25.185 ccw(c28.699,-25.578) 28.245,-25.578 ; PR1.4@34.244,-21.281 cw(c34.07,-21.454) 34.315,-21.454 cw(c34.561,-21.454) PR1.4@34.387,-21.281 ; PR1.4@34.315,-21.209 34.315,-25.095 33.325,-26.086 28.753,-26.086 28.245,-25.578
NetD8_A: D8.A R25.2 | length 3
  Top Layer w0.254: D8.A@28.236,-10.407 28.237,-13.353 R25.2@28.27,-13.386
NetH1_3: H1.3 R1.2 | length 8.9
  Top Layer w0.254: R1.2@2.465,-53.88 ccw(c2.128,-53.365) 2.743,-53.365 ; R1.2@2.743,-54.432 2.743,-53.365 ; H1.3@2.819,-48.26 2.083,-48.26 1.473,-48.87 1.473,-52.095 2.743,-53.365 ; R1.2@3.021,-53.88 cw(c3.358,-53.365) 2.743,-53.365
NetH1_4: H1.4 R2.1 | length 9
  Top Layer w0.254: R2.1@5.265,-53.876 ccw(c4.893,-53.289) 5.588,-53.289 ; H1.4@5.359,-48.26 6.071,-48.26 6.68,-48.87 6.68,-52.197 5.588,-53.289 ; R2.1@5.588,-54.407 5.588,-53.289 ; R2.1@5.874,-53.925 cw(c6.437,-53.289) 5.588,-53.289
NetK1_2: K1.2 U3.3 U8.3 | length 90.6
  Top Layer w0.762: K1.2@7.737,-31.039 8.992,-31.039 11.393,-33.44 U8.3@13.719,-33.44 13.719,-33.45 22.299,-33.45 25.857,-37.008 25.857,-55.397 27.381,-56.921 v2(27.381,-56.972) ; K1.2@7.998,-31.3 cw(c8.628,-31.93) 8.628,-31.039 cw(c8.628,-30.148) K1.2@7.998,-30.778 ; v2(74.092,-56.972) 74.092,-55.796 U3.3@74.146,-55.742
  Bottom Layer w0.762: v2(27.381,-56.972) v2(74.092,-56.972)
NetQ4_2: Q4.2 R40.2 R41.2 | length 16.8
  Top Layer w0.254: R41.2@93.726,-77.953 R40.2@93.726,-74.778 93.726,-68.072 94.6,-67.198 Q4.2@99.028,-67.198 ; Q4.2@98.775,-67.427 ccw(c98.223,-67.978) 98.223,-67.198 ccw(c98.223,-66.418) Q4.2@98.775,-66.97
NetR20_1: R20.1 U1.143 | length 16.6
  Top Layer w0.254: R20.1@31.826,-41.478 31.953,-41.351 v1(31.953,-37.49) ; v1@31.866,-37.577 cw(c31.656,-37.787) 31.953,-37.787 cw(c32.25,-37.787) v1@32.04,-37.577 ; v1(40.31,-36.855) 41.085,-36.855 U1.143@42.003,-37.773 ; v1@40.397,-36.942 cw(c40.607,-37.152) 40.607,-36.855 cw(c40.607,-36.558) v1@40.397,-36.768
  Bottom Layer w0.254: v1(31.953,-37.49) 32.588,-36.855 v1(40.31,-36.855) ; v1@31.953,-37.367 ccw(c31.953,-37.07) 32.163,-37.28 ccw(c32.373,-37.49) v1@32.076,-37.49 ; v1@40.223,-36.942 ccw(c40.013,-37.152) 40.013,-36.855 ccw(c40.013,-36.558) v1@40.223,-36.768
NetR35_1: R35.1 R36.2 U11.3 | length 24.8
  Top Layer w0.254: R35.1@5.076,-69.347 ccw(c4.148,-68.418) v1@5.461,-68.418 ; R35.1@5.256,-69.526 ccw(c4.761,-69.032) 5.461,-69.032 ; 5.314,-68.965 cw(c5.798,-69.095) v1@5.548,-68.661 ; R36.2@5.436,-66.853 5.461,-66.878 R35.1@5.461,-69.757 ; 5.461,-68.913 cw(c5.845,-68.913) v1@5.573,-68.642 ; v1@5.461,-68.541 ccw(c6.601,-68.541) R35.1@5.795,-69.347 ; 5.461,-68.196 ccw(c5.845,-68.196) v1@5.573,-68.468 ; 5.556,-68.896 cw(c5.912,-68.8) v1@5.593,-68.616 ; U11.3@18.746,-66.699 cw(c18.443,-67.003) 18.872,-67.003 cw(c19.301,-67.003) U11.3@18.998,-66.699 ; v1@18.785,-68.468 ccw(c18.575,-68.258) 18.872,-68.258 ccw(c19.169,-68.258) v1@18.959,-68.468 ; v1(18.872,-68.555) U11.3@18.872,-65.862
  Bottom Layer w0.254: v1(5.486,-68.555) v1(18.872,-68.555) ; v1@5.573,-68.642 cw(c5.783,-68.852) 5.783,-68.555 cw(c5.783,-68.258) v1@5.573,-68.468 ; v1@18.785,-68.642 ccw(c18.575,-68.852) 18.575,-68.555 ccw(c18.575,-68.258) v1@18.785,-68.468
PA0_RS485_TX1: U1.34 U10.4 | length 40.9
  Top Layer w0.254: U10.4@19.355,-59.385 v1(21.539,-59.385) ; U10.4@20.177,-59.547 cw(c20.567,-59.937) 20.567,-59.385 cw(c20.567,-58.833) U10.4@20.177,-59.224 ; v1@21.452,-59.472 ccw(c21.242,-59.682) 21.242,-59.385 ccw(c21.242,-59.088) v1@21.452,-59.298 ; v1@50.561,-58.739 ccw(c50.351,-58.529) 50.648,-58.529 ccw(c50.945,-58.529) v1@50.735,-58.739 ; v1(50.648,-58.826) 50.648,-55.998 U1.34@53.316,-53.329
  Bottom Layer w0.254: v1(21.539,-59.385) 50.089,-59.385 v1(50.648,-58.826) ; v1@21.626,-59.472 cw(c21.836,-59.682) 21.836,-59.385 cw(c21.836,-59.088) v1@21.626,-59.298 ; v1@50.525,-58.826 cw(c50.228,-58.826) 50.438,-59.036 cw(c50.648,-59.246) v1@50.648,-58.949
PA1_RS485_RX1: U1.35 U10.1 | length 45
  Top Layer w0.254: U10.1@19.355,-63.195 v1(21.539,-63.195) ; U10.1@20.177,-63.357 cw(c20.567,-63.747) 20.567,-63.195 cw(c20.567,-62.643) U10.1@20.177,-63.034 ; v1@21.452,-63.282 ccw(c21.242,-63.492) 21.242,-63.195 ccw(c21.242,-62.898) v1@21.452,-63.108 ; v1@51.272,-62.676 ccw(c51.062,-62.466) 51.359,-62.466 ccw(c51.656,-62.466) v1@51.446,-62.676 ; v1(51.359,-62.763) 51.359,-55.994 U1.35@53.67,-53.683
  Bottom Layer w0.254: v1(21.539,-63.195) 50.927,-63.195 v1(51.359,-62.763) ; v1@21.626,-63.282 cw(c21.836,-63.492) 21.836,-63.195 cw(c21.836,-62.898) v1@21.626,-63.108 ; v1@51.236,-62.763 cw(c50.939,-62.763) 51.149,-62.973 cw(c51.359,-63.183) v1@51.359,-62.886
PA2_RS485_RE1: U1.36 U10.2 U10.3 | length 46.9
  Top Layer w0.254: U10.2@19.193,-61.764 ccw(c18.803,-61.373) 19.355,-61.373 ccw(c19.907,-61.373) U10.2@19.516,-61.764 ; U10.3@19.193,-60.817 cw(c18.803,-61.207) 19.355,-61.207 cw(c19.907,-61.207) U10.3@19.516,-60.817 ; U10.3@19.355,-60.655 U10.2@19.355,-61.925 v1(21.539,-61.925) ; U10.2@20.177,-62.087 cw(c20.567,-62.477) 20.567,-61.925 cw(c20.567,-61.373) U10.2@20.177,-61.764 ; v1@21.452,-62.012 ccw(c21.242,-62.222) 21.242,-61.925 ccw(c21.242,-61.628) v1@21.452,-61.838 ; v1@52.059,-61.279 ccw(c51.849,-61.069) 52.146,-61.069 ccw(c52.443,-61.069) v1@52.233,-61.279 ; v1(52.146,-61.366) 52.146,-55.914 U1.36@54.024,-54.036
  Bottom Layer w0.254: v1(21.539,-61.925) 51.587,-61.925 v1(52.146,-61.366) ; v1@21.626,-62.012 cw(c21.836,-62.222) 21.836,-61.925 cw(c21.836,-61.628) v1@21.626,-61.838 ; v1@52.023,-61.366 cw(c51.726,-61.366) 51.936,-61.576 cw(c52.146,-61.786) v1@52.146,-61.489
PA9_U1_TX: U1.101 U7.10 | length 51.8
  Top Layer w0.254: U7.10@20.016,-37.695 ccw(c19.713,-37.391) 20.142,-37.391 ccw(c20.571,-37.391) U7.10@20.268,-37.695 ; v1@20.055,-36.841 cw(c19.845,-37.051) 20.142,-37.051 cw(c20.439,-37.051) v1@20.229,-36.841 ; U7.10@20.142,-38.532 v1(20.142,-36.754) ; U1.101@60.034,-28.227 60.985,-27.275 v1(60.985,-26.797) ; v1@60.898,-26.884 cw(c60.688,-27.094) 60.985,-27.094 cw(c61.282,-27.094) v1@61.072,-26.884
  Bottom Layer w0.254: v1@20.055,-36.667 ccw(c19.845,-36.457) 20.142,-36.457 ccw(c20.439,-36.457) v1@20.229,-36.667 ; v1(20.142,-36.754) 20.142,-34.932 22.359,-32.715 47.142,-32.715 53.157,-26.7 60.889,-26.7 v1(60.985,-26.797)
PA10_U1_RX: U1.102 U7.9 | length 47.8
  Top Layer w0.254: U7.9@21.286,-37.695 ccw(c20.983,-37.391) 21.412,-37.391 ccw(c21.841,-37.391) U7.9@21.538,-37.695 ; v1@21.325,-36.841 cw(c21.115,-37.051) 21.412,-37.051 cw(c21.709,-37.051) v1@21.499,-36.841 ; U7.9@21.412,-38.532 v1(21.412,-36.754) ; v1(58.522,-29.032) U1.102@59.68,-27.873 ; v1@58.522,-28.909 ccw(c58.522,-28.612) 58.732,-28.822 ccw(c58.942,-29.032) v1@58.645,-29.032
  Bottom Layer w0.254: v1@21.325,-36.667 ccw(c21.115,-36.457) 21.412,-36.457 ccw(c21.709,-36.457) v1@21.499,-36.667 ; v1(21.412,-36.754) 21.412,-35.458 22.885,-33.985 46.99,-33.985 52.883,-28.092 57.582,-28.092 v1(58.522,-29.032) ; v1@58.399,-29.032 ccw(c58.102,-29.032) 58.312,-28.822 ccw(c58.522,-28.612) v1@58.522,-28.909